# Altium PCB 191230 PCB.PcbDoc (part 1 of 2)
Units mil, origin at the board's own origin, x right, y up, seen from the top; angles counter-clockwise.
Board outline 5523.73 x 4025.78 mil, 4 copper layers (Top Layer, Int1 (GND), Int2 (PWR), Bottom Layer), stack 53.912 mil thick; 197 components, 119 nets, 656 pads, 176 vias.
Unrouted connection lines stored in the file: 188.
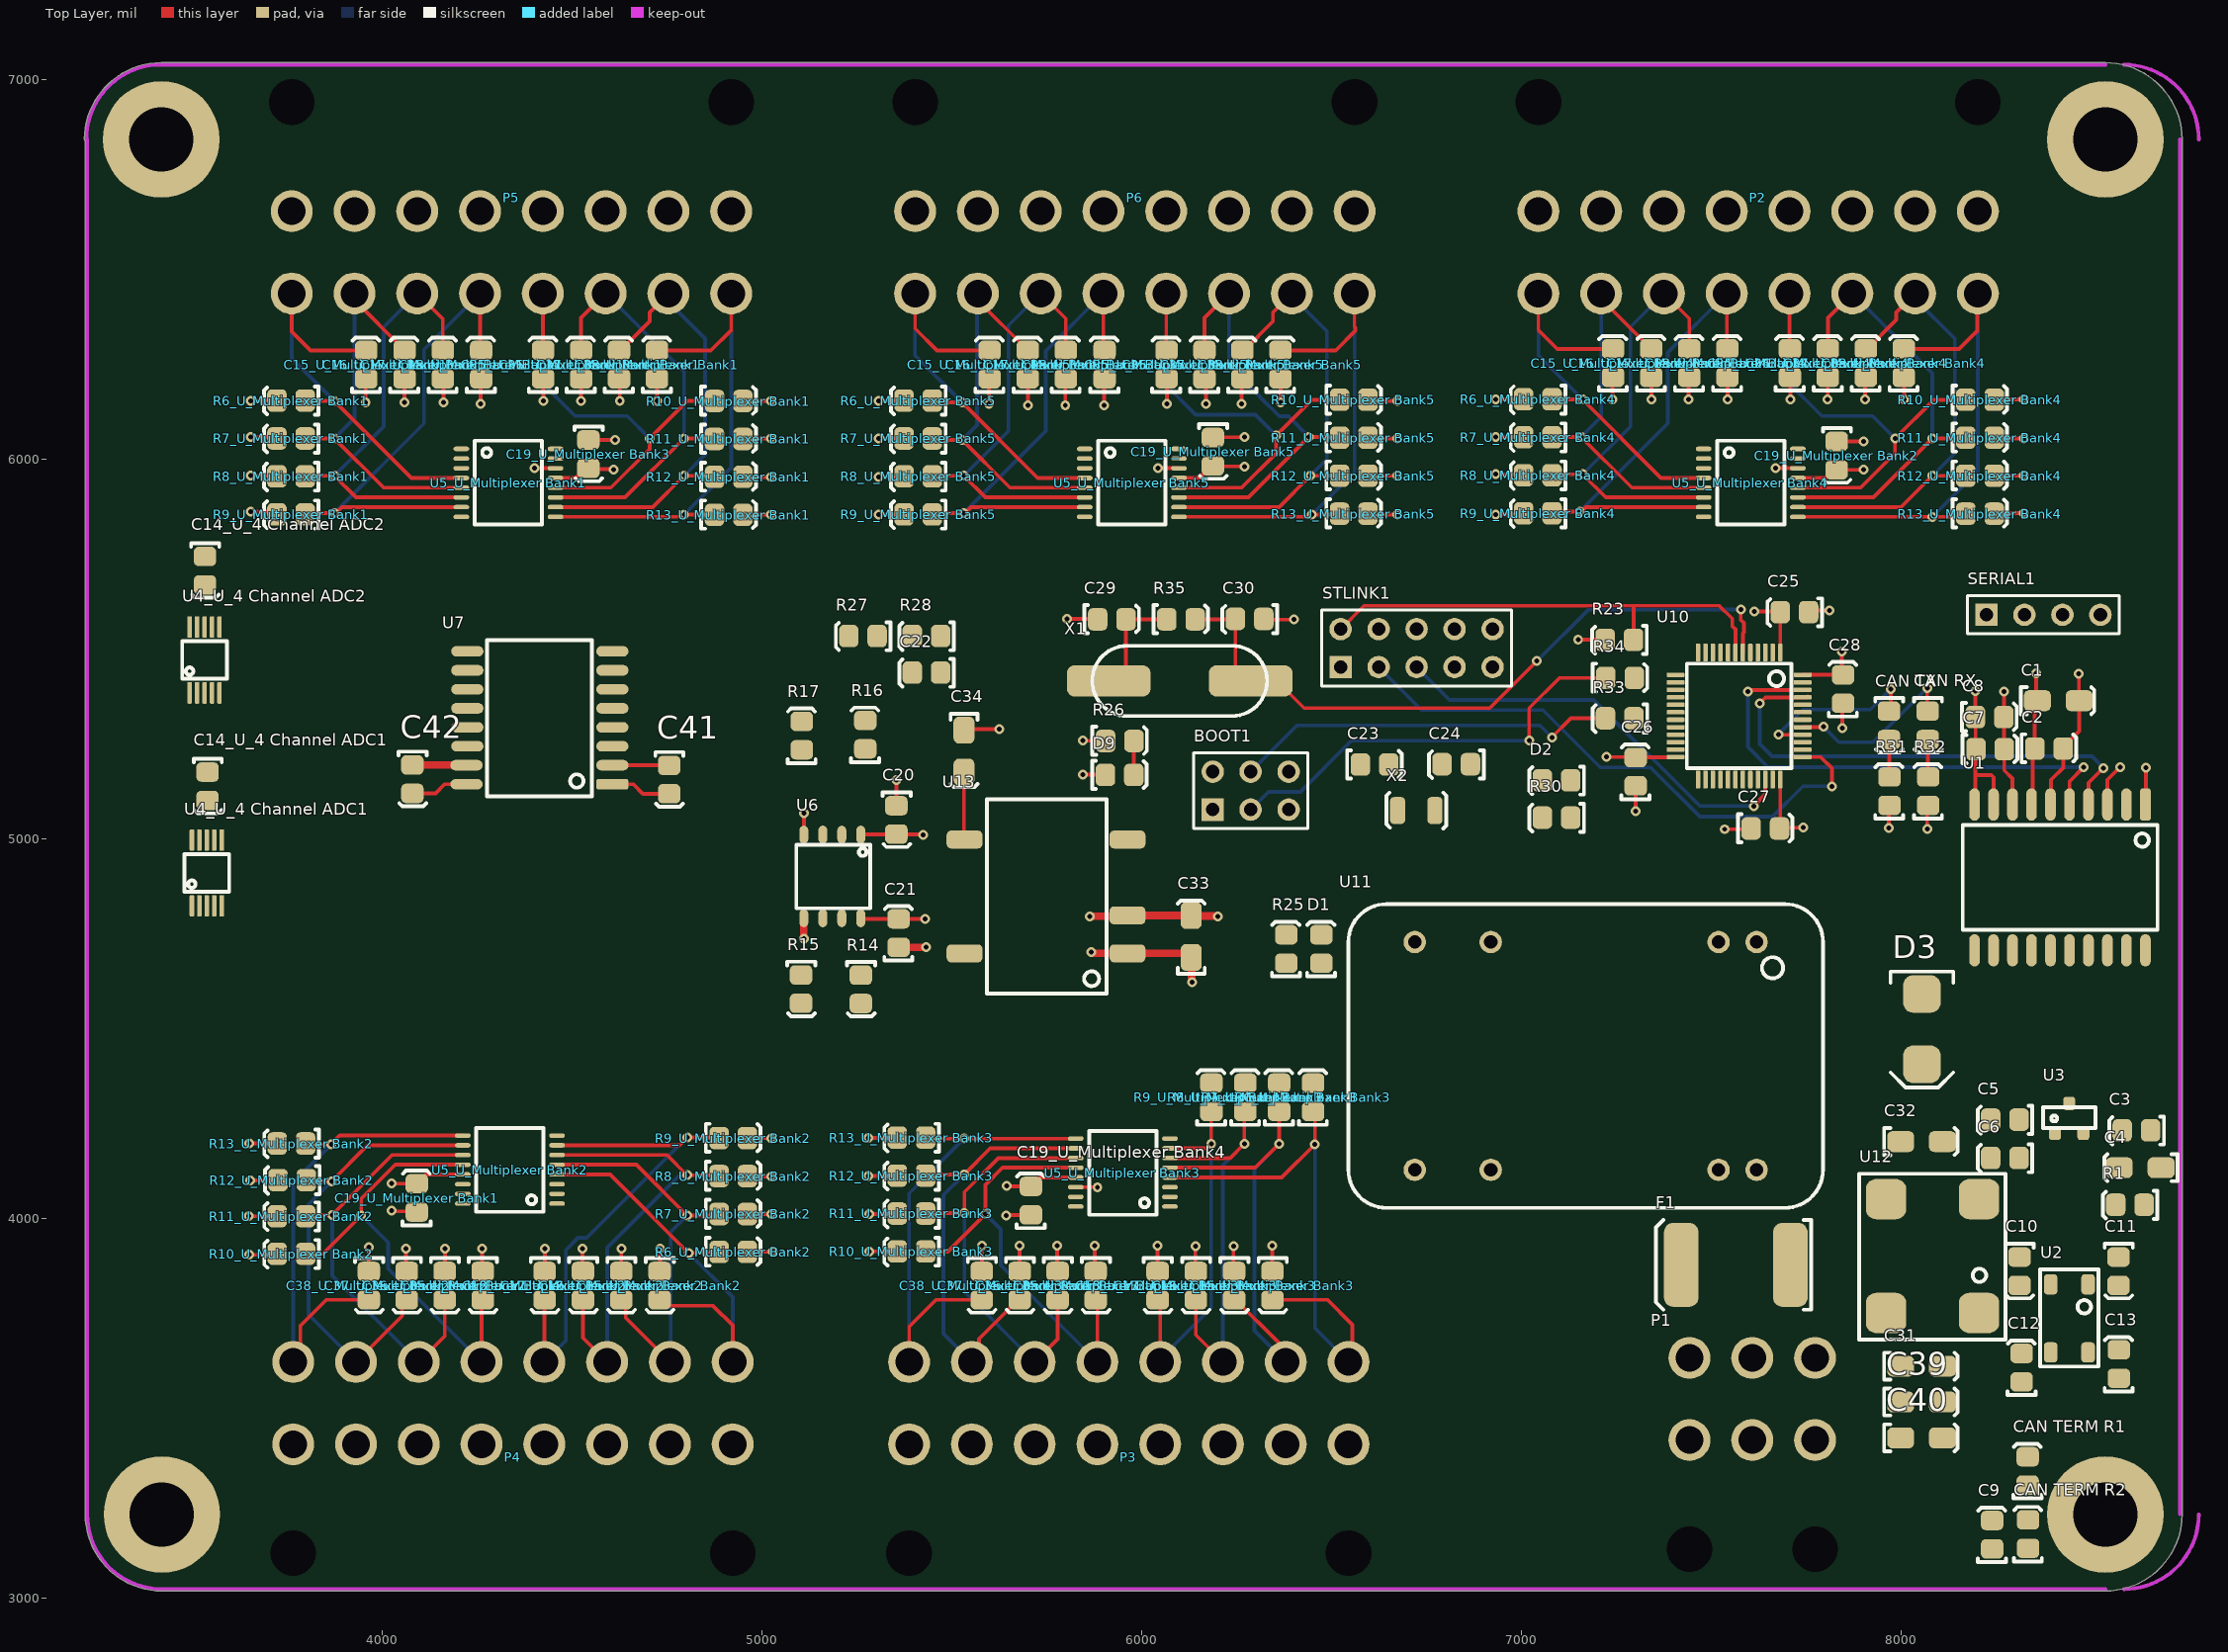
[diagram p0: Top Layer view]
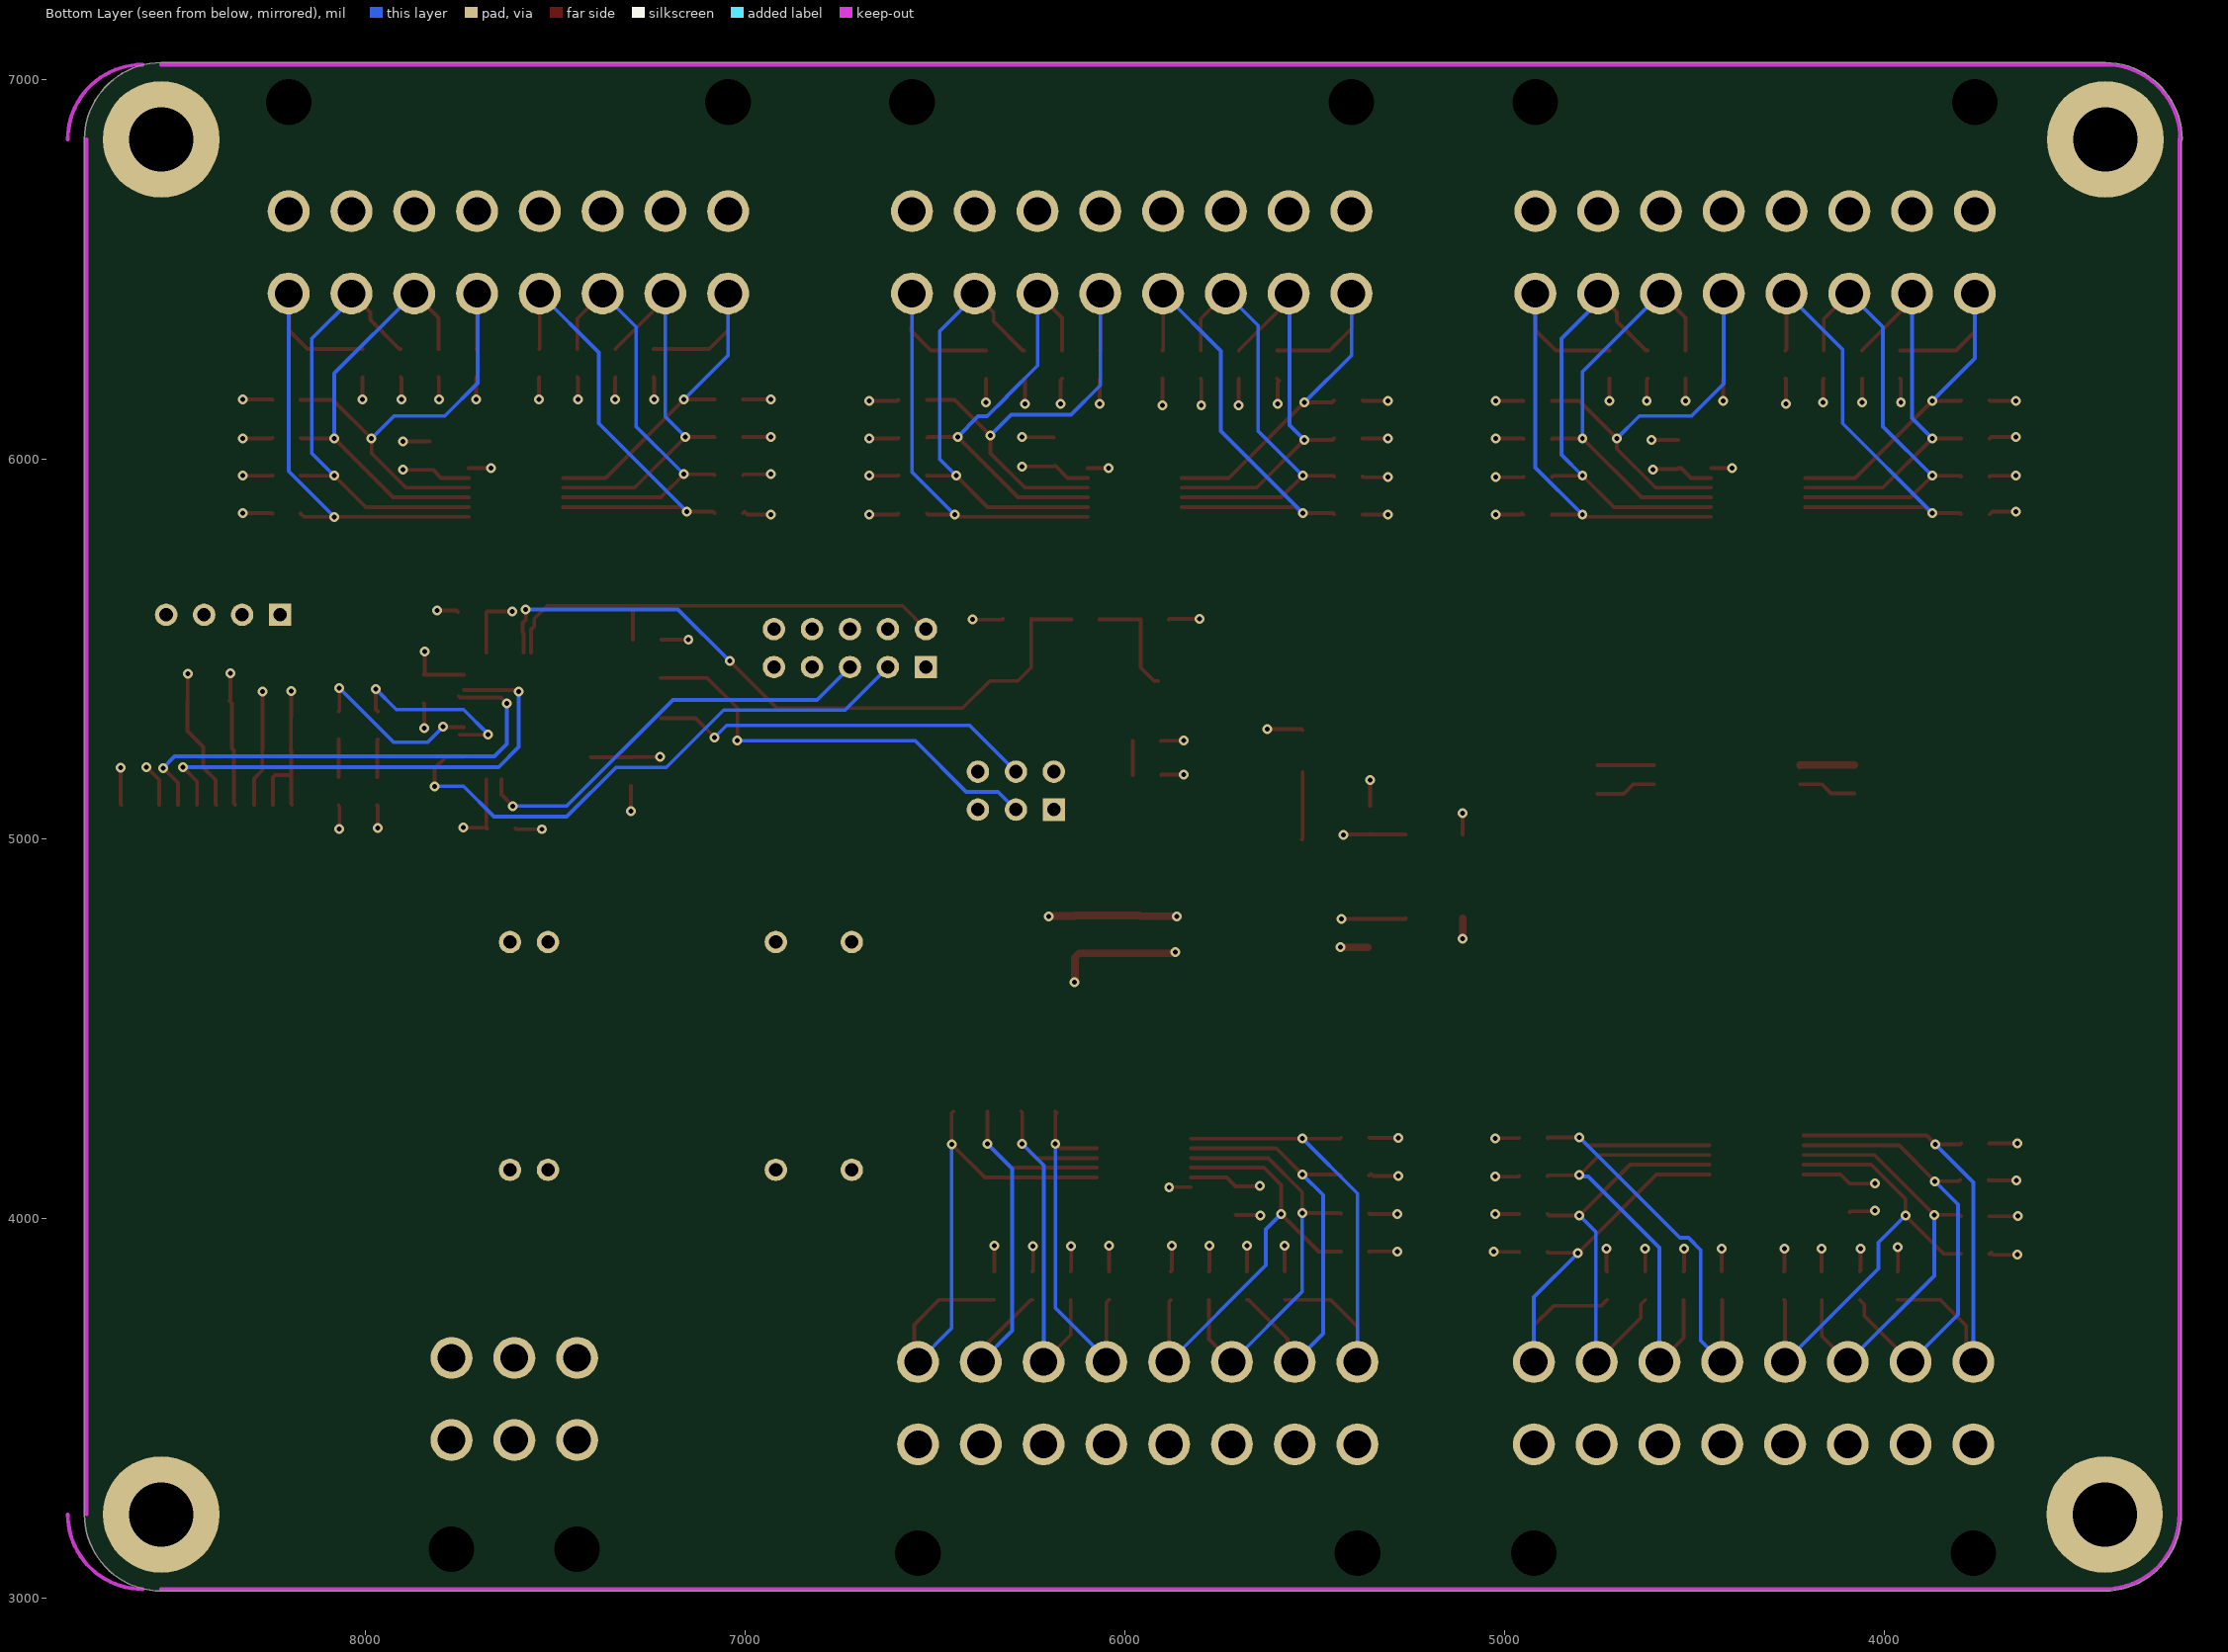
[diagram p1: Bottom Layer view, seen from below]
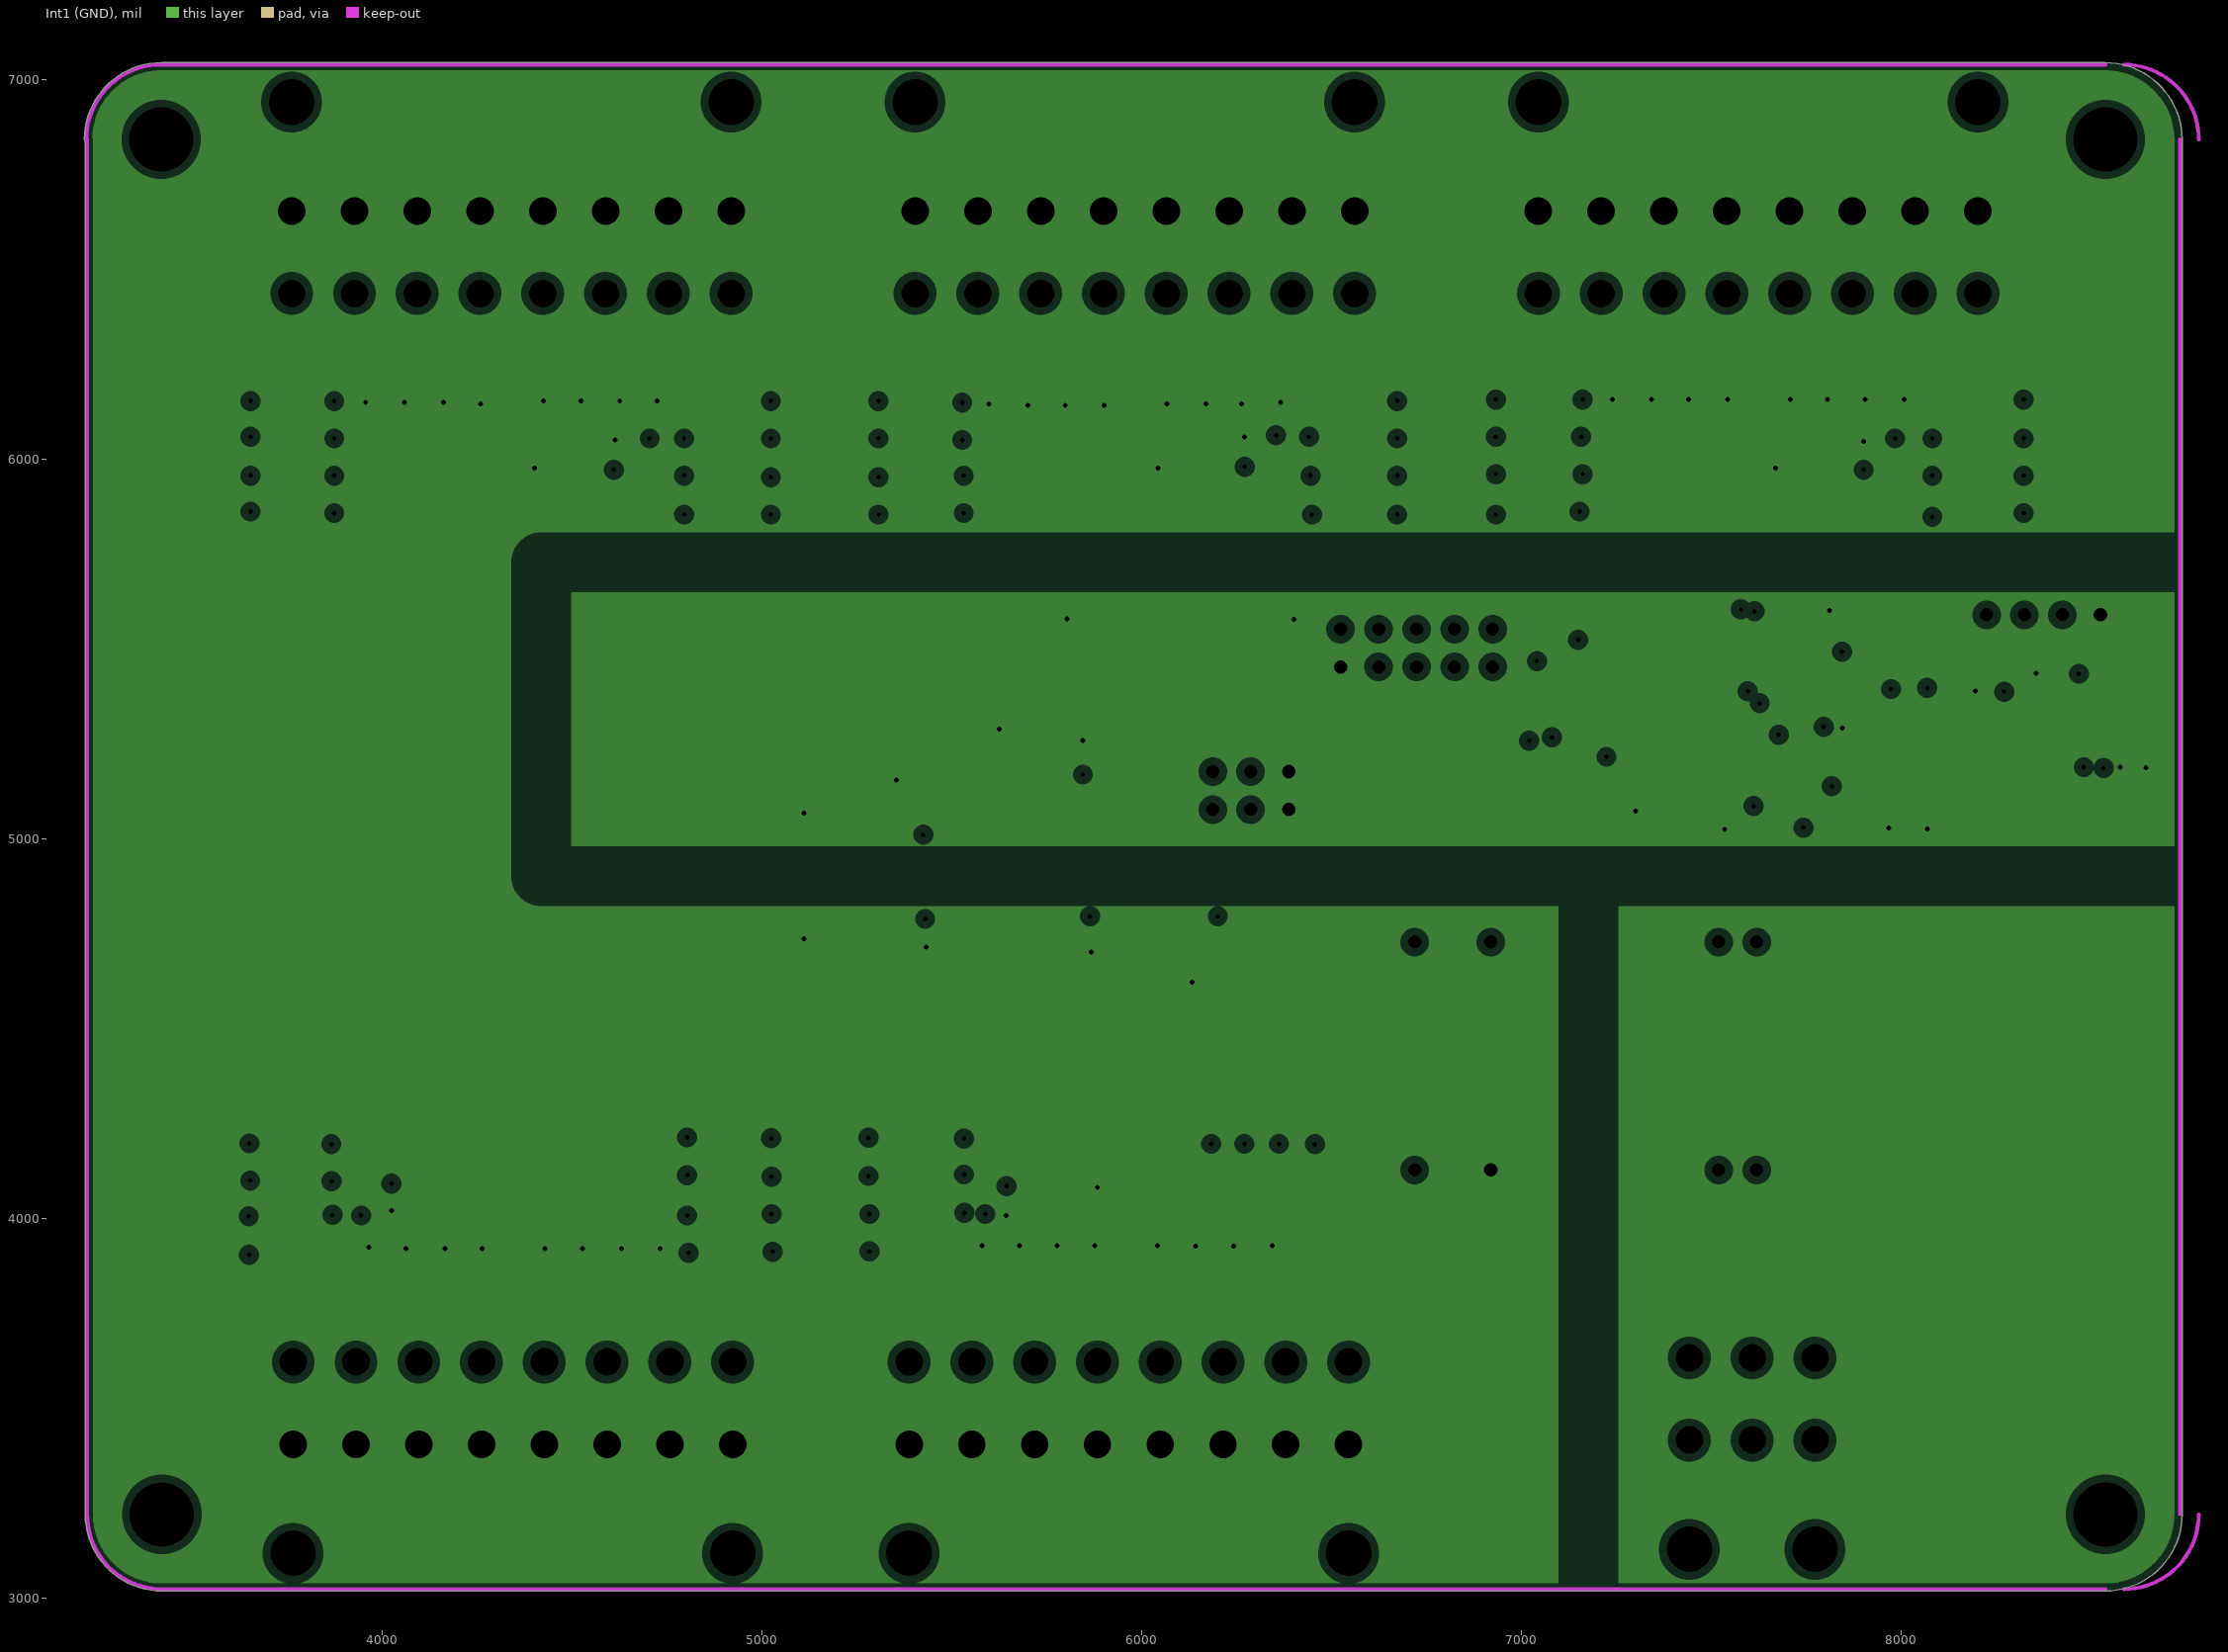
[diagram p2: Int1 (GND), clearances drawn from the general rule]
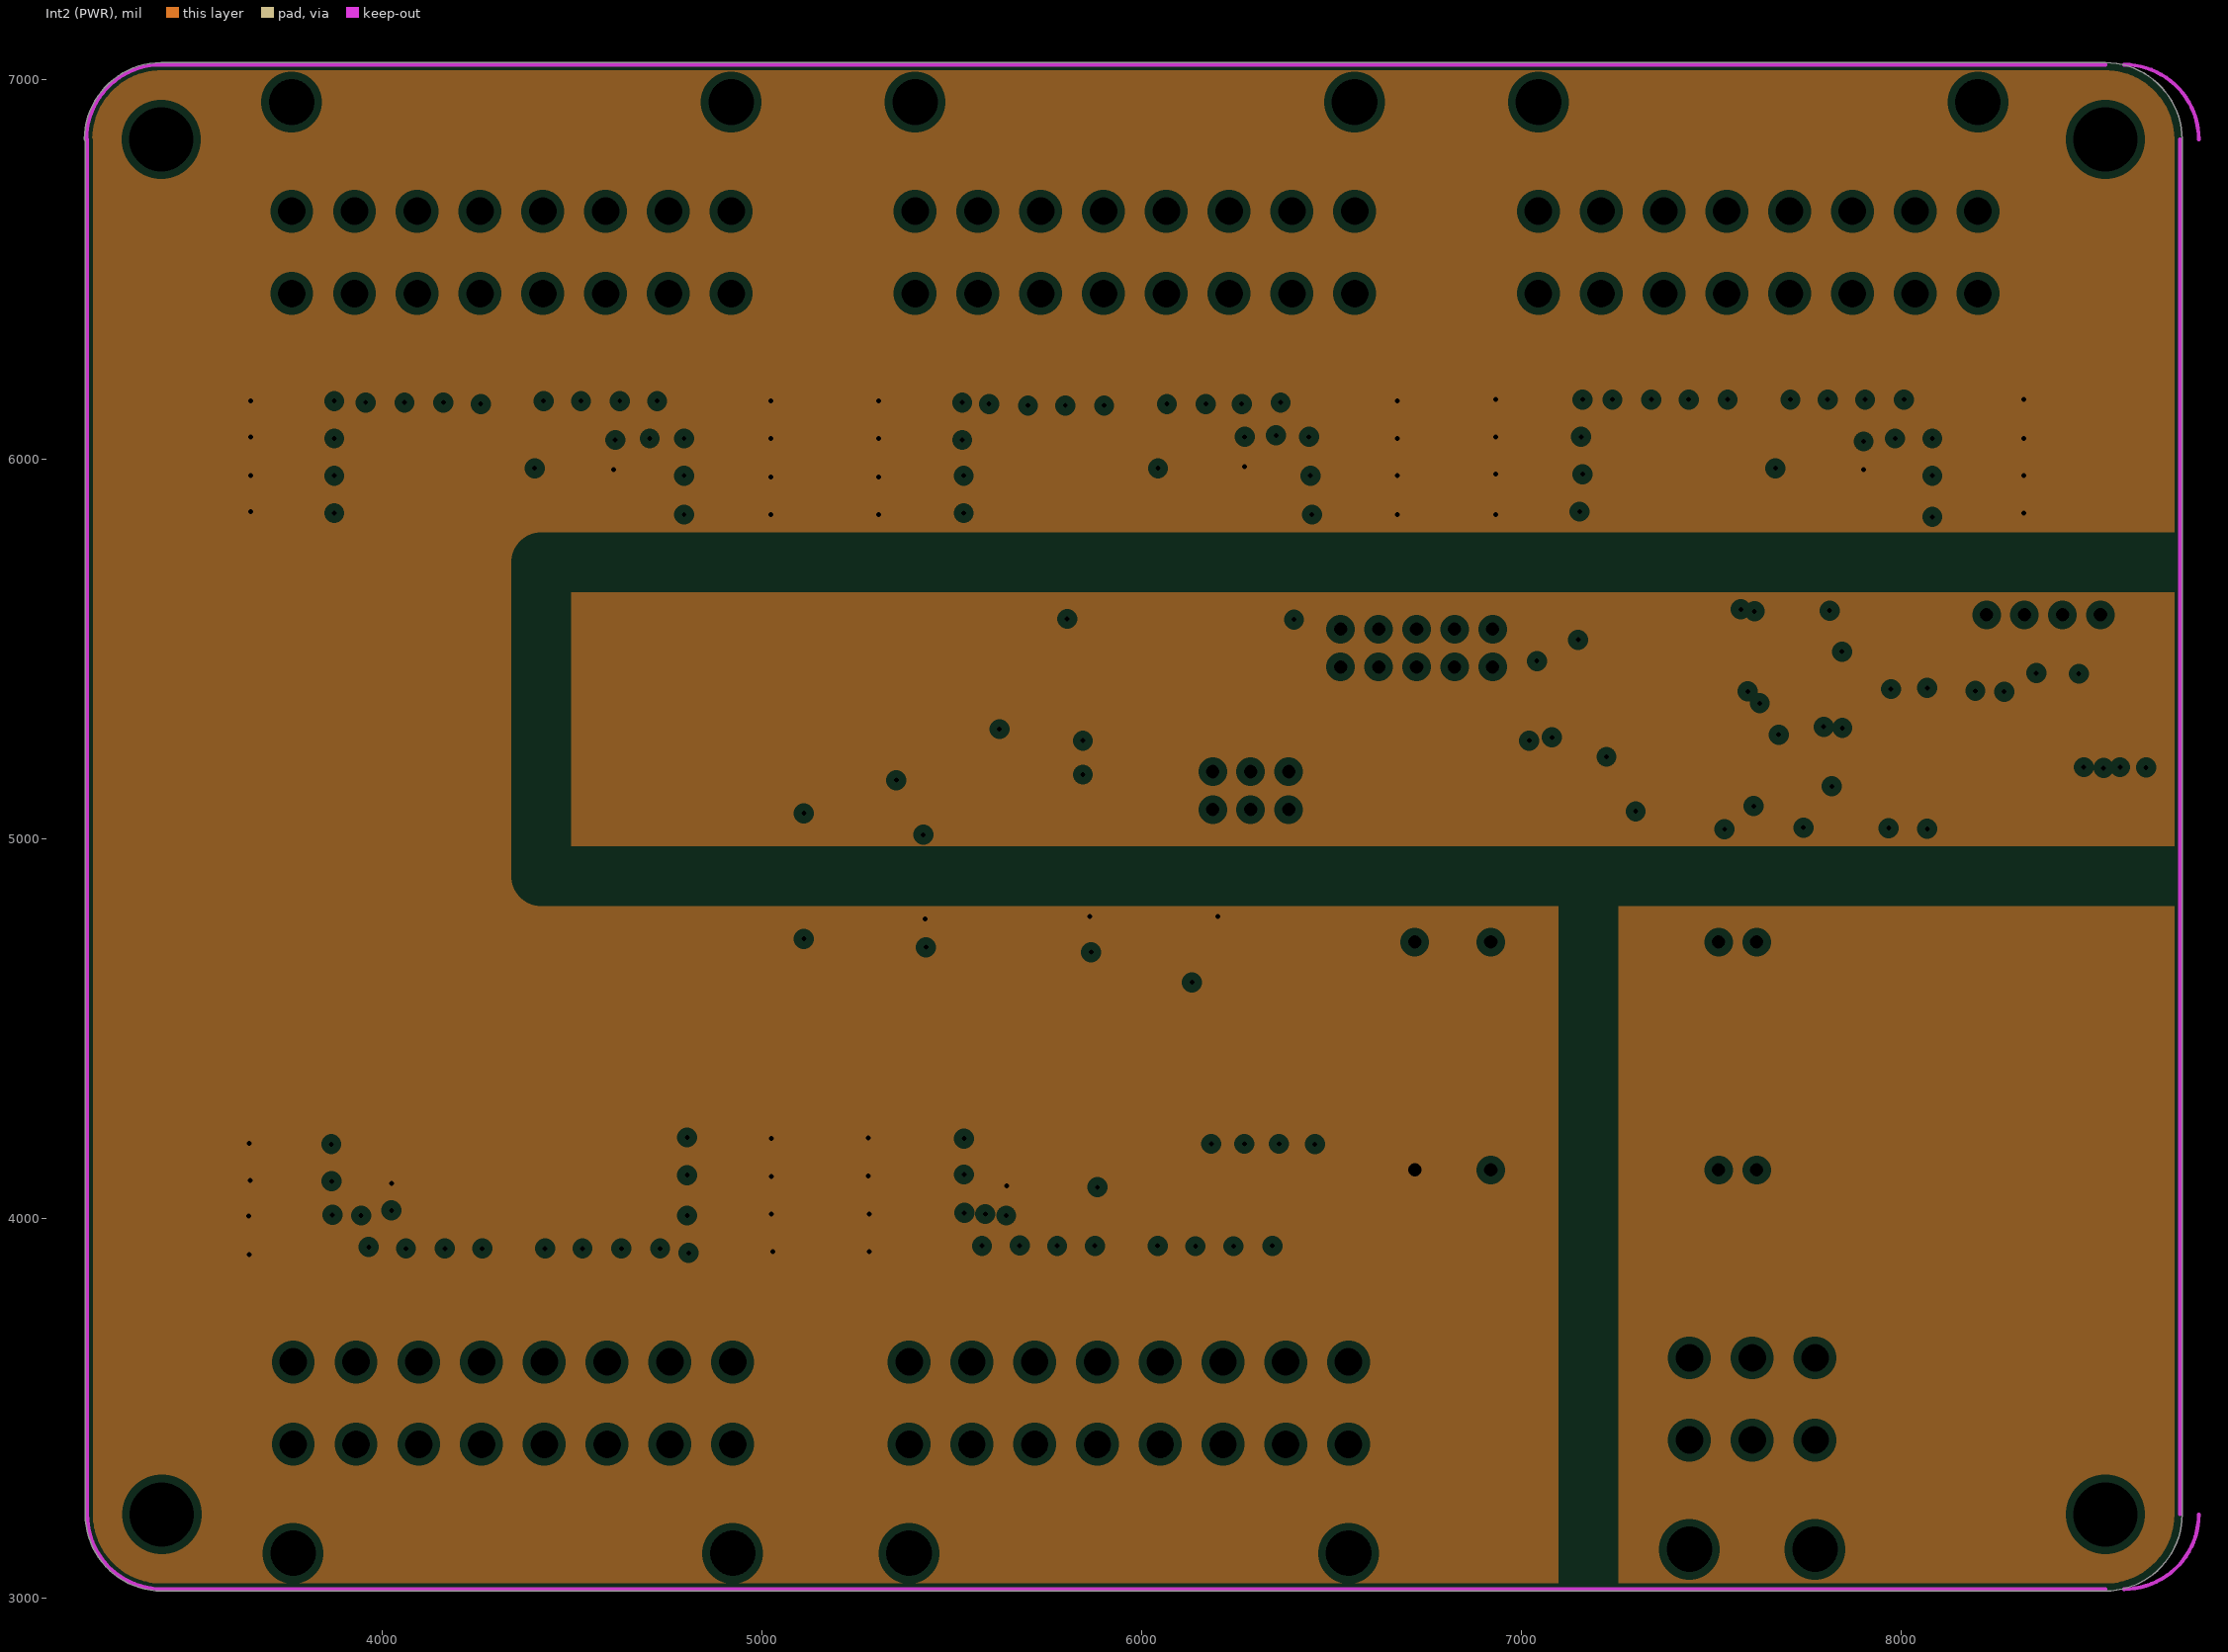
[diagram p3: Int2 (PWR), clearances drawn from the general rule]

## Layer stack, top to bottom
Top Solder: solder mask 1, SM-001, Dk 4
Top Layer: signal copper 1.3779
Dielectric 1: prepreg 5.1, PP-017, Dk 4.3
Dielectric 2: prepreg 5.1, PP-017, Dk 4.3
Int1 (GND): plane copper 1.3779, net (Multiple Nets)
Dielectric 3: core 28, Core-039, Dk 4.8
Int2 (PWR): plane copper 1.3779, net 5V
Dielectric 4: prepreg 5.1, PP-017, Dk 4.3
Dielectric 5: prepreg 5.1, PP-017, Dk 4.3
Bottom Layer: signal copper 1.3779
Bottom Solder: solder mask 1, SM-001, Dk 4

## Board outline
3218.25,3220.67 3218.25,3220.7 3218.25,6838.83 cw(c3221.42,6842.72) 3216.4,6842.72 cw(c3418.27,6842.72) 3418.27,7044.58 8538.27,7044.58 cw(c8538.27,6842.72) 8740.13,6842.72 cw(c8735.12,6842.72) 8740.13,6842.65 8740.13,3220.67 cw(c8735.12,3220.67) 8740.13,3220.64 ccw(c8538.27,3220.67) 8740.13,3220.67 8740.13,3220.64 cw(c8538.27,3220.67) 8538.27,3018.8 3420.12,3018.8 cw(c3420.12,3220.67)

## Design rules (kind name [scope] priority, off if disabled: settings)
Clearance [All] p1: gap=10 ignorepadtopadclearanceinfootprint=FALSE except(0: Arc-Hole Track-Hole SMDPad-Hole THPad-Hole Via-Hole Fill-Hole Poly-Hole Region-Hole Text-Hole; 6: Arc-SMDPad Track-SMDPad SMDPad-SMDPad)
Height [All] p1: minheight=0 maxheight=1968.5 prefheight=500
PlaneClearance [All] p1: clearance=20
PlaneConnect [All] p1: planeconnectstyle=Relief reliefexpansion=20 reliefentries=4 reliefconductorwidth=31.5 reliefairgap=10
PolygonConnect [All] p1: connectstyle=Relief reliefconductorwidth=31.5 reliefentries=4 polygonreliefangle="90 Angle" airgapwidth=10
RoutingVias [All] p1: holewidth=28 width=50 viastyle="Through Hole" minholewidth=8 minwidth=10 maxholewidth=28 maxwidth=50
SolderMaskExpansion [All] p1: expansion=4 istentingtop=FALSE
Width [All] p1: maxlimit=118.11 minlimit=5 preferedwidth=19.68
27 further rules are at their usual default settings.
